# Altium PCB ROV_MainBoard V2.0.PcbDoc
Units mil, origin at the board's own origin, x right, y up, seen from the top; angles counter-clockwise.
Board outline 6102.36 x 3543.31 mil, 2 copper layers (Top Layer, Bottom Layer); 102 components, 73 nets, 345 pads, 271 vias.
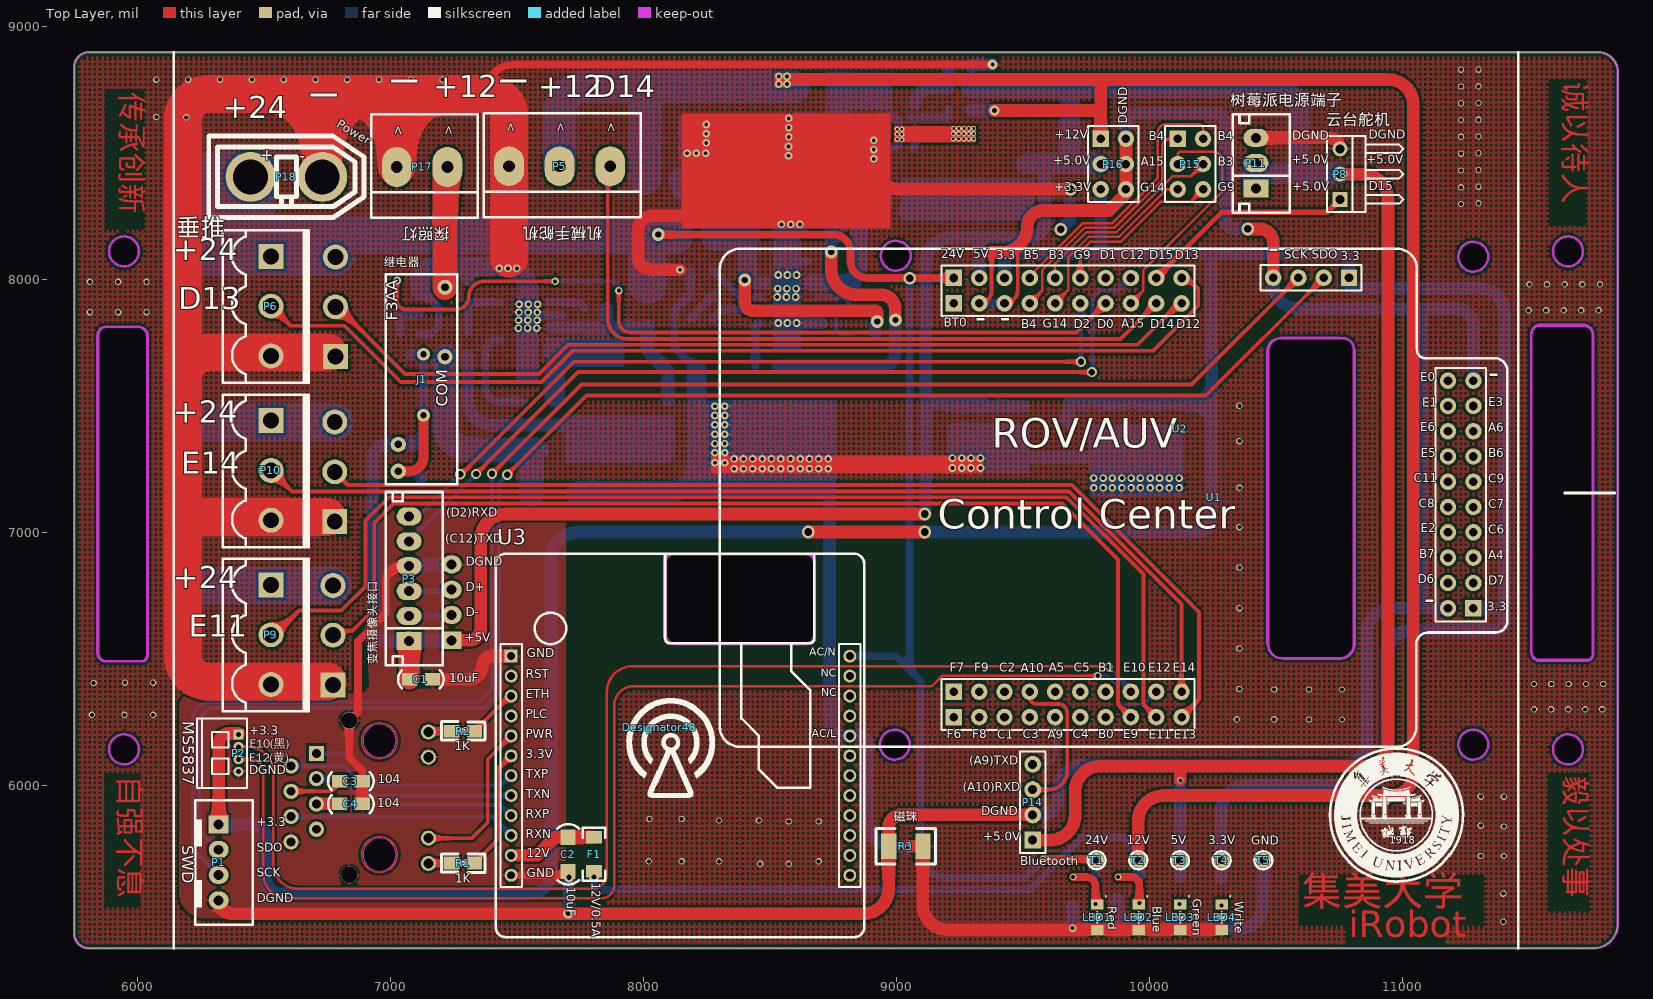
[diagram p0: Top Layer view]
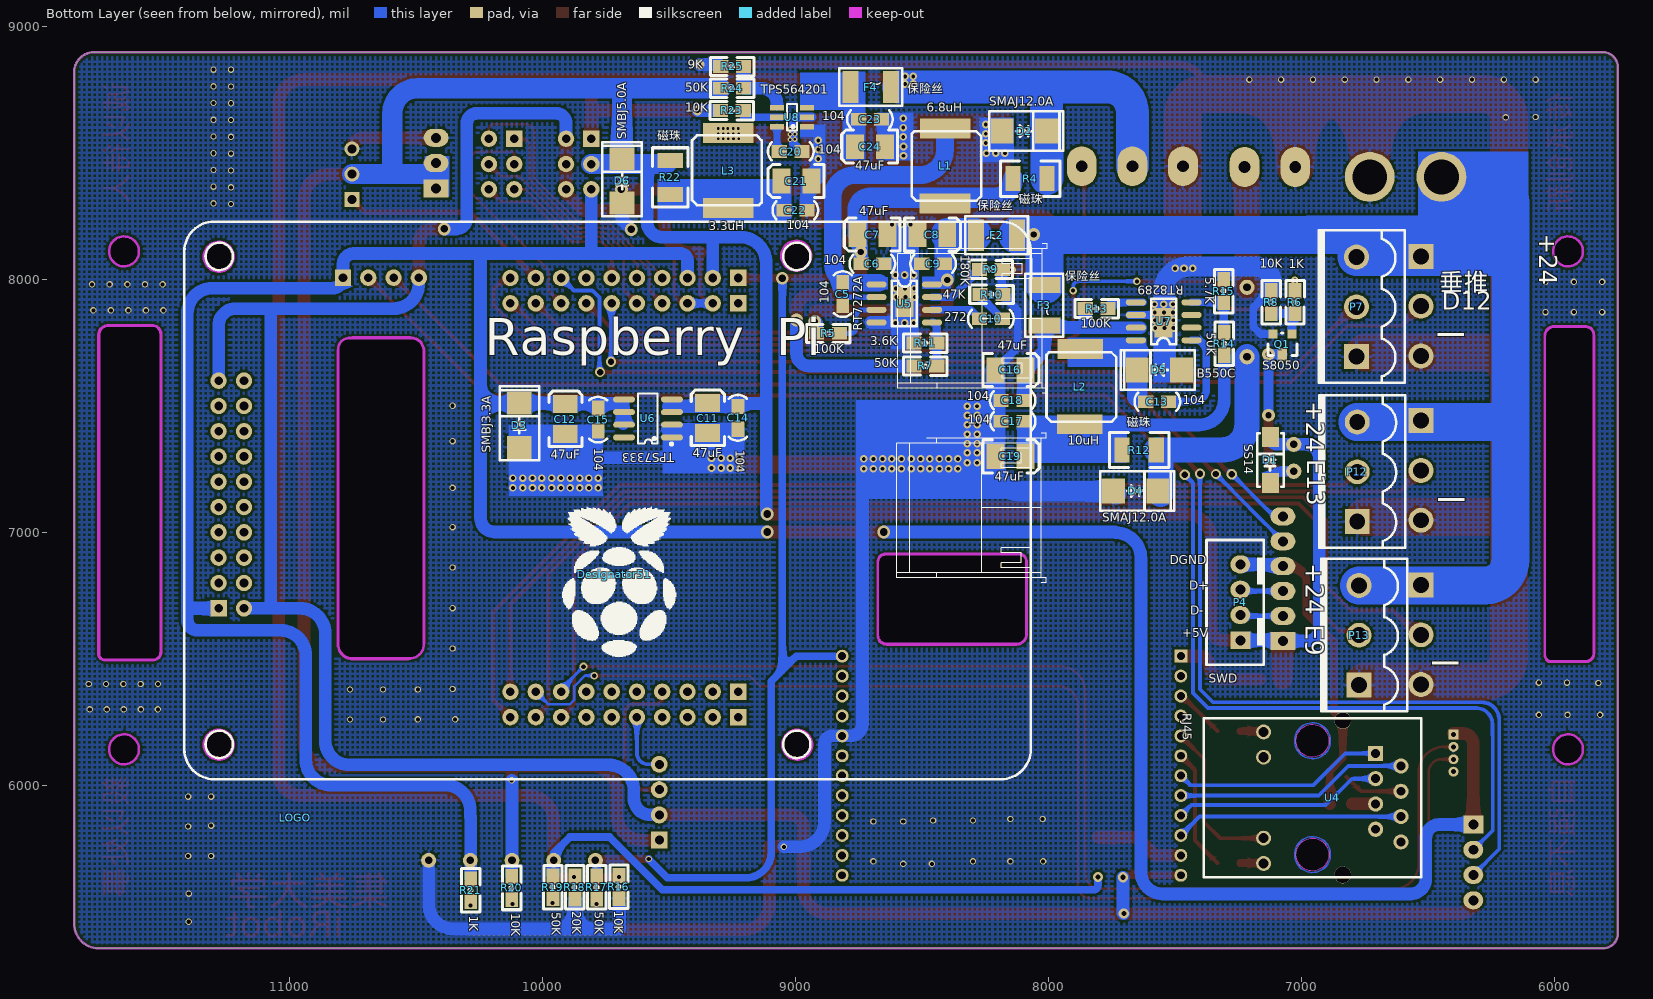
[diagram p1: Bottom Layer view, seen from below]

## Layer stack, top to bottom
Top Solder: solder mask 0.4, Solder Resist, Dk 3.5
Top Layer: signal copper 1.4
Dielectric 1: dielectric 12.6, FR-4, Dk 4.8
Bottom Layer: signal copper 1.4
Bottom Solder: solder mask 0.4, Solder Resist, Dk 3.5

## Board outline
5748.03,5413.39 ccw(c5807.09,5413.39) 5807.09,5354.33 11751.97,5354.33 ccw(c11751.97,5452.76) 11850.39,5452.76 11850.39,8818.9 ccw(c11771.65,8818.9) 11771.65,8897.64 5807.09,8897.64 ccw(c5807.09,8838.58) 5748.03,8838.58
cut-out: 8936.94,8093 ccw(c8996,8093) 8996,8033.94 ccw(c8996,8093) 9055.06,8093 ccw(c8996,8093) 8996,8152.06 ccw(c8996,8093)
cut-out: 8932.94,6160 ccw(c8992,6160) 8992,6100.94 ccw(c8992,6160) 9051.06,6160 ccw(c8992,6160) 8992,6219.06 ccw(c8992,6160)
cut-out: 8080.99,6596.97 cw(c8124,6597) 8080.99,6597 8080.98,6597 8080.98,6881.78 cw(c8113.5,6884.5) 8081.01,6887.45 cw(c8113.5,6884.5) 8110.55,6916.99 cw(c8111,6912) 8111,6917.02 8644,6917.02 cw(c8644,6883) 8678.01,6883 8678.01,6592 cw(c8640,6592) 8640,6553.98 8124,6553.98 cw(c8124,6597)
cut-out: 5944.88,6082.68 cw(c5944.88,6141.73) 5885.83,6141.73 cw(c5944.88,6141.73) 5944.88,6200.79 cw(c5944.88,6141.73) 6003.94,6141.73 cw(c5944.88,6141.73)
cut-out: 5944.88,8051.18 cw(c5944.88,8110.24) 5885.83,8110.24 cw(c5944.88,8110.24) 5944.88,8169.29 cw(c5944.88,8110.24) 6003.94,8110.24 cw(c5944.88,8110.24)
cut-out: 11653.54,8051.18 cw(c11653.54,8110.24) 11594.49,8110.24 cw(c11653.54,8110.24) 11653.54,8169.29 cw(c11653.54,8110.24) 11712.6,8110.24 cw(c11653.54,8110.24)
cut-out: 11653.54,6082.68 cw(c11653.54,6141.73) 11594.49,6141.73 cw(c11653.54,6141.73) 11653.54,6200.79 cw(c11653.54,6141.73) 11712.6,6141.73 cw(c11653.54,6141.73)
cut-out: 11217.94,8089 ccw(c11277,8089) 11277,8029.94 ccw(c11277,8089) 11336.06,8089 ccw(c11277,8089) 11277,8148.06 ccw(c11277,8089)
cut-out: 11219.94,6160 cw(c11279,6160) 11279,6219.06 cw(c11279,6160) 11338.06,6160 cw(c11279,6160) 11279,6100.94 cw(c11279,6160)
cut-out: 10462.99,6570.57 10462.99,7716 cw(c10519,7716) 10519,7772.02 cw(c10519,7767) 10519.03,7772.02 10751,7772.02 cw(c10751,7711) 10812.01,7711 10812.01,6550 cw(c10807,6550) 10811.04,6547.03 cw(c10750.04,6557.96) 10750.04,6495.98 10537.57,6495.98 cw(c10537.57,6570.57)
cut-out: 11503.99,6526 ccw(c11540,6526) 11540,6489.98 11728.52,6489.98 ccw(c11728.52,6518.48) 11757.01,6518.48 11757.01,7782 ccw(c11752,7782) 11756.96,7782.75 ccw(c11715.58,7780.58) 11715.58,7822.02 11542,7822.02 ccw(c11542,7784) 11503.99,7784
cut-out: 5874,6484.98 cw(c5874,6521) 5837.98,6521 5837.98,7779 cw(c5876,7779) 5876,7817.02 5999.58,7817.02 cw(c5999.58,7775.58) 6040.96,7777.75 cw(c6036,7777) 6041.02,7777 6041.02,6513.48 cw(c6012.52,6513.48) 6012.52,6484.98

## Design rules (kind name [scope] priority, off if disabled: settings)
Clearance [All] p1: gap=8
ComponentClearance [All] p1: gap=0 collisioncheckmode=3 verticalgap=0 showdistances=FALSE
DiffPairsRouting [All] p1: maxlimit=10 minlimit=10 mostfreqgap=10 toplayer_minwidth=15 toplayer_maxwidth=15 toplayer_prefwidth=15 bottomlayer_minwidth=15 bottomlayer_maxwidth=15 bottomlayer_prefwidth=15 maxuncoupledlength=500
PolygonConnect [All] p1: connectstyle=Relief reliefconductorwidth=10 reliefentries=4 polygonreliefangle="90 Angle" airgapwidth=10
RoutingVias [All] p1: holewidth=28 width=50 viastyle="Through Hole" minholewidth=28 minwidth=50 maxholewidth=28 maxwidth=50
SolderMaskExpansion [All] p1: expansion=4
Width [All] p1: maxlimit=150 minlimit=10 preferedwidth=10
28 further rules are at their usual default settings.

## Classes and differential pairs
component class "ROV_MainBoard V1.0": C1 C2 C3 C4 F1 LOGO P1 P2 P3 P4 P5 P6 P7 P8 P9 P10 P11 P12 P13 P14 P15 P16 R1 R2 U1 U2 U3 U4
component class ROV_Power: C5 C6 C7 C8 C9 C10 C11 C12 C13 C14 C15 C16 C17 C18 C19 C20 C21 C22 C23 C24 D1 D2 D3 D4 D5 D6 F2 F3 F4 J1 L1 L2 L3 LED1 LED2 LED3 LED4 P17 P18 Q1 R3 R4 R5 R6 R7 R8 R9 R10 R11 R12 R13 R14 R15 R16 R17 R18 R19 R20 R21 R22 R23 R24 R25 T1 T2 T3 T4 T5 U5 U6 U7 U8
differential pair EPHY_RX: +EPHY_RX_P -EPHY_RX_N
differential pair EPHY_TX: +EPHY_TX_P -EPHY_TX_N

## Components (designator, comment, footprint, x,y, rotation, side; value= is the part's Value field where it differs from the comment)
C1 "10uF" 0805C 7159,6419 r180 top
C2 "10uF" 1206C 7701,5724 r90 top
C3 "104" 0805C 6882,6016 r180 top
C4 "104" 0805C 6882,5926 r180 top
C5 "104" 0805C 8812.28,7981.65 r270 bottom
C6 "104" 0805C 8654.8,8062 r0 bottom
C7 "47uF" TAJ-B 8635.11,8176.81 r0 bottom
C8 "" TAJ-B 8517,8176.81 r180 bottom
C9 "" 0805C 8495,8061 r180 bottom
C10 "272" 0805C 8186,7844 r0 bottom
C11 "47uF" TAJ-B 9346,7392 r90 bottom
C12 "47uF" TAJ-B 9909,7388 r90 bottom
C13 "104" 0805C 7609,7516 r180 bottom
C14 "104" 0805C 9226,7412 r90 bottom
C15 "104" 0805C 9779,7405 r90 bottom
C16 "47uF" TAJ-B 8208,7642 r180 bottom
C17 "104" 0805C 8181,7438 r180 bottom
C18 "104" 0805C 8181,7521 r180 bottom
C19 "47uF" TAJ-B 8208,7300 r180 bottom
C20 "104" 0805C 9058,8505 r180 bottom
C21 "" TAJ-B 8936,8388 r0 bottom
C22 "104" 0805C 8959,8273 r0 bottom
C23 "104" 0805C 8664,8633 r0 bottom
C24 "47uF" TAJ-B 8645,8524 r0 bottom
D1 "SS14" SMA/DO-214AC 7120,7202 r90 bottom
D2 "SMAJ12.0A" SMBJ 8181,8584 r90 bottom
D3 "SMBJ3.3A" SMBJ 10089,7336 r0 bottom
D4 "SMAJ12.0A" SMBJ 7741.6,7161.65 r90 bottom
D5 "B550C" SMBJ 7473,7643 r270 bottom
D6 "SMBJ5.0A" SMBJ 9683,8302 r0 bottom
Designator48 "Comment" "通信 LOGO" 8061,6228 r0 top
Designator51 "Comment" "Raspberry Pi LOGO" 9715,6833 r180 bottom
F1 "12V/0.5A" FUSE-1206 7801,5660 r90 top
F2 "保险丝" 1812 8118,8174 r0 bottom
F3 "保险丝" 1812 8015,7983 r270 bottom
F4 "保险丝" 1812 8787,8760 r180 bottom
J1 "继电器" 继电器(小型) 7028,7239 r90 top locked
L1 "6.8uH" 电感#1 8405,8592 r270 bottom
L2 "10uH" 电感#2 7872,7719 r270 bottom
L3 "3.3uH" 电感#1 9267,8286 r90 bottom
LED1 "Red" 0805LED(GREEN) 9794.04,5525.98 r270 top
LED2 "Blue" 0805LED(RED) 9961.25,5525 r270 top
LED3 "Green" 0805LED(RED) 10125.51,5525 r270 top
LED4 "Write" 0805LED(RED) 10289.76,5525 r270 top
LOGO "" JMU_LOGO(1.35cm) 10977,5872 r0 bottom
P1 "SWD" XH4/2.54mm/180 6318.9,5846.46 r270 top
P2 "MS5837" MX1.25-4PIN 6397.64,6200.79 r270 top
P3 "变焦摄像头接口" XH6/2.54mm/180 7075,6570 r90 top
P4 "SWD" XH4/2.54mm/180 7240,6571 r90 bottom
P5 "机械手舵机" KF128-3P 7868.11,8444.88 r180 top
P6 "" KF2EDGK5.0-3P 6527.01,8090.55 r270 top
P7 "" KF2EDGK5.0-3P 6782,7694 r90 bottom
P8 "云台舵机" "HEADER 3H" 10658,8276 r90 top
P9 "" KF2EDGK5.0-3P 6527.01,6791.34 r270 top
P10 "" KF2EDGK5.0-3P 6527.01,7440.94 r270 top
P11 "树莓派电源端子" XH3/2.54mm/180 10423,8361 r90 top
P12 "" KF2EDGK5.0-3P 6779,7042 r90 bottom
P13 "" KF2EDGK5.0-3P 6772,6396 r90 bottom
P14 "Bluetooth" "Header 4(排母)" 9538,5781 r90 top
P15 "" "Header 3X2" 10108,8557 r0 top
P16 "" "Header 3X2" 9803,8557 r0 top
P17 "探照灯" KF128-2P 7228.5,8444.88 r180 top
P18 "Power" XT60-F 6426,8405 r0 top
Q1 "S8050" SOT-23 7039,7778 r0 bottom
R1 "1K" 0805R 7245.02,5691 r0 top
R2 "1K" 0805R 7326,6215 r180 top
R3 "磁珠" 1210R 9103,5758 r180 top
R4 "磁珠" 1210R 8004,8398 r0 bottom
R5 "100K" 0805R 8910.7,7784.8 r180 bottom
R6 "1K" 0805R 7023,7869 r90 bottom
R7 "50K" 0805R 8526,7656 r180 bottom
R8 "10K" 0805R 7119,7950 r270 bottom
R9 "180K" 0805R 8186,8040 r0 bottom
R10 "47K" 0805R 8183.49,7940.8 r0 bottom
R11 "3.6K" 0805R 8526,7747 r180 bottom
R12 "磁珠" 1210R 7573,7325 r0 bottom
R13 "100K" 0805R 7849,7883 r180 bottom
R14 "50K" 0805R 7303,7704 r90 bottom
R15 "5.7K" 0805R 7307,7994 r270 bottom
R16 "10K" 0805R 9698,5638 r270 bottom
R17 "50K" 0805R 9786,5636 r270 bottom
R18 "20K" 0805R 9872,5636 r270 bottom
R19 "50K" 0805R 9959,5637 r270 bottom
R20 "10K" 0805R 10122,5634 r270 bottom
R21 "1K" 0805R 10284,5625 r270 bottom
R22 "磁珠" 1210R 9494,8335 r90 bottom
R23 "10K" 0805R 9291,8666 r180 bottom
R24 "50K" 0805R 9290,8754 r180 bottom
R25 "9K" 0805R 9290,8840 r180 bottom
T1 "24V" 测试点(实心) 9788.04,5702 r0 top
T2 "12V" 测试点(实心) 9952.86,5702 r0 top
T3 "5V" 测试点(实心) 10117.69,5702 r0 top
T4 "3.3V" 测试点(实心) 10282.51,5702 r0 top
T5 "GND" 测试点(实心) 10447.34,5702 r0 top
U1 "Control Center" ROV_Control 11162,7598 r0 top locked
U2 "" "Raspberry Pi" 10118,7410 r180 top locked
U3 "电力载波模块" 电力载波模块6410 7434,6915 r0 top
U4 "RJ45" RJ45 7152,6110 r180 bottom
U5 "RT7272A" SOP8-Pad 8674.48,7981.65 r180 bottom
U6 "TPS7333" SOP-8 9489,7376 r0 bottom
U7 "RT8289" SOP8-Pad 7437.53,7756.23 r0 bottom
U8 "TPS564201" SOT23-6 8955.86,8602.68 r0 bottom

## Footprints (in the part's own frame and the unit in brackets; to place one, negate y for a bottom-side part, rotate by r counter-clockwise, add the part's x,y. Pads: shape width x height; smd on the part's side, far side on the other; paste and mask are expansions set on the pad)
0805C [mil]
  rect 60x50 smd: 1(-5,0) 2(85,0)
  silkscreen extent -50,-35 131,36, body extent -16,-26 102,29, height 37
0805LED(GREEN) [mil]
  rect 40x50 smd: 1(-2,-2) 2(98,-2)
  silkscreen extent -36,-22 71,33, body extent 7,-27 87,23, height 43
0805LED(RED) [mil]
  rect 40x50 smd: 1(-2.98,-4.95) 2(97.02,-4.95)
  silkscreen extent -37,-25 70,31, body extent 13,-25 80,11, height 35
0805R [mil]
  rect 60x50 smd: 1(-4.51,1.2) 2(85.49,1.2)
  silkscreen extent -46,-36 126,37, body extent -1,-23 78,26, height 18
1206C [mil]
  rect 60x60 smd: 1(-64.9,0.2) 2(70.1,0.2)
  silkscreen extent -117,-43 122,43, body extent -82,-36 84,35, height 37
1210R [mil]
  rect 60x100 smd: 1(0,0) 2(135,0)
  silkscreen extent -50,-70 185,70, body extent -12,-49 146,49, height 67
1812 [mm]
  rect 1.6x3.2 smd: 1(0.127,0) 2(4.227,0)
  silkscreen extent -0.97,-1.9 5.33,1.9, body extent -0.07,-1.6 4.43,1.6, height 1.6
FUSE-1206 [mil]
  rect 50x65 smd: 1(-1,-2) 2(134,-2)
  silkscreen extent -38,-47 172,43, body extent 1,-36 127,28, height 34
"HEADER 3H" [mm]
  rect 1.5x1.5 hole 0.9: 1(1.007,-2.396)
  round 1.5 hole 0.9: 2(3.547,-2.396) 3(6.087,-2.396)
  silkscreen extent -0.26,-8.75 7.36,-1.11, body extent -0.26,-12.36 7.36,-2.01, height 2.54
"Header 3X2" [mil]
  rect 65x65 hole 34: 1(2.94,-1.52)
  round 65 hole 34: 2(102.94,-1.52) 3(2.94,-101.52) 4(102.94,-101.52) 5(2.94,-201.52) 6(102.94,-201.52)
  silkscreen extent -47,-252 153,48, body extent -46,-254 154,46, height 338
"Header 4(排母)" [mm]
  rect 1.7x1.7 hole 0.9: 1(0.035,0.015)
  round 1.7 hole 0.9: 2(2.575,0.015) 3(5.115,0.015) 4(7.655,0.015)
  silkscreen extent -1.23,-1.25 8.93,1.29, body extent -1.23,-1.25 8.93,1.29, height 8.5
JMU_LOGO(1.35cm) [mil]
KF2EDGK5.0-3P [mm]
  rect 2.5x2.5 hole 1.6: 1(0,-0.025)
  round 2.5 hole 1.6: 2(5,-0.025) 3(10,-0.025)
  silkscreen extent -2.62,-4.85 12.7,3.78, body extent -2.54,-4.78 12.54,3.72, height 11.25
KF128-2P [mm]
  oval 3x4 hole 1.2: 1(0.134,0.024) 2(5.214,0.024)
  silkscreen extent -2.91,-5.28 7.75,5.1, body extent -2.91,-5.35 7.75,5.15, height 14.15
KF128-3P [mm]
  oval 3x4 hole 1.2: 1(0.025,-0.05) 2(5.105,-0.05) 3(10.185,-0.05)
  silkscreen extent -3.02,-5.36 12.73,5.06, body extent -3.02,-5.43 12.72,5.07, height 14.15
MX1.25-4PIN [mm]
  rect 1x1 hole 0.5: 1(0,0)
  round 1 hole 0.5: 2(1.25,0) 3(2.5,0) 4(3.75,0)
  silkscreen extent -1.61,-4.19 5.36,0.85, body extent -1.5,-4.05 5.25,0.85, height 3.35
"Raspberry Pi" [mil]
"Raspberry Pi LOGO" [mil]
  silkscreen extent -206,-326 244,265
RJ45 [mm]
  rect 1.524x1.524 hole 0.889: 1(11.347,0.398)
  round 1.524 hole 0.889: 2(13.887,-0.872) 3(11.347,-2.142) 4(13.887,-3.412) 5(11.347,-4.682) 6(13.887,-5.952) 7(11.347,-7.222) 8(13.887,-8.492)
  round 1.5 hole 1.02: 9(0.097,2.548) 10(0.097,0.012) 11(0.097,-8.116) 12(0.097,-10.652)
  round 1.7 hole 1.65: 13(8.045,3.698) 14(8.045,-11.802)
  round 2.95 hole 3.25: MH3(5.01,-9.768) MH3(5.01,1.662)
  Keep-Out Layer circle w0.051: c4.997,1.664 r1.65
  Keep-Out Layer circle w0.051: c4.997,-9.766 r1.65
  Multi-Layer circle w0.127: c5.01,-9.768 r1.798
  Multi-Layer circle w0.127: c5.01,1.662 r1.798
  silkscreen extent -5.92,-12.05 15.92,3.95, body extent -5.83,-12.07 15.57,3.81, height 14
ROV_Control [mil] "航行器控制中心"
  rect 65x65 hole 34: 1(-1936.07,306.74) 20(-1936.07,407.13) 31(117.59,-898.86) 41(-1936.07,-1329.03) 60(-1936.07,-1228.64) 61(-374.2,408.2)
  round 65 hole 34: 2(-1836.07,306.74) 3(-1736.07,306.74) 4(-1636.07,306.74) 5(-1536.27,306.74) 6(-1436.27,306.74) 8(-1236.46,306.74) 10(-1036.07,306.74) 11(-1036.07,407.13) 13(-1236.46,407.13) 15(-1436.27,407.13) 16(-1536.27,407.13) 17(-1636.07,407.13) 18(-1736.07,407.13) 19(-1836.07,407.13) 21(17.2,1.14) 22(17.2,-98.86) 23(17.2,-198.86) 24(17.2,-298.86) 25(17.2,-398.66) 26(17.2,-498.66) 28(17.2,-698.46) 30(17.2,-898.86) 33(117.59,-698.46) 35(117.59,-498.66) 36(117.59,-398.66) 37(117.59,-298.86) 38(117.59,-198.86) 39(117.59,-98.86) 40(117.59,1.14) 42(-1836.07,-1329.03) 43(-1736.07,-1329.03) 44(-1636.07,-1329.03) 45(-1536.27,-1329.03) 46(-1436.27,-1329.03) 48(-1236.46,-1329.03) 50(-1036.07,-1329.03) 51(-1036.07,-1228.64) 53(-1236.46,-1228.64) 55(-1436.27,-1228.64) 56(-1536.27,-1228.64) 57(-1636.07,-1228.64) 58(-1736.07,-1228.64) 59(-1836.07,-1228.64) 62(-474.2,408.2) 63(-574.2,408.2) 64(-674.2,408.2)
  round 65 hole 34 paste+0: 7(-1336.46,306.74) 9(-1136.07,306.74) 12(-1136.07,407.13) 14(-1336.46,407.13) 27(17.2,-598.46) 29(17.2,-798.86) 32(117.59,-798.86) 34(117.59,-598.46) 47(-1336.46,-1329.03) 49(-1136.07,-1329.03) 52(-1136.07,-1228.64) 54(-1336.46,-1228.64)
  silkscreen extent -2861,-1446 251,522, body extent -1995,-1377 163,456, height 335
SMA/DO-214AC [mm]
  rect 2x1.75 smd: 1(-0.178,0.025) 2(4.422,0.025)
  silkscreen extent -0.58,-1.32 4.82,1.38, body extent -0.38,-1.32 4.73,1.35, height 2.12
SMBJ [mil] "TVS瞬态抑制二极管"
  rect 98x90 smd: 1(1.65,0.6) 2(1.65,-174.4)
  silkscreen extent -77,-240 80,52, body extent -50,-196 55,5, height 83
SOP8-Pad [mil]
  oval 80x24 smd: 1(-4.24,-2.45) 2(-4.24,-52.45) 3(-4.24,-102.45) 4(-4.24,-152.45) 5(215.76,-152.45) 6(215.76,-102.45) 7(215.76,-52.45) 8(215.76,-2.45)
  rect 70.87x118.11 smd: 9(107,-72)
  silkscreen extent 56,-167 156,13, body extent -11,-179 225,18, height 75
SOP-8 [mm]
  oval 2.2x0.6 smd: 1(-0.038,0.025) 2(-0.038,-1.245) 3(-0.038,-2.515) 4(-0.038,-3.785) 5(4.762,-3.785) 6(4.762,-2.515) 7(4.762,-1.245) 8(4.762,0.025)
  silkscreen extent -0.12,-4.38 3.37,0.82, body extent -0.62,-4.33 5.38,0.57, height 1.7
SOT23-6 [mm]
  rect 1.4x0.55 smd: 1(-0.051,-0.025) 2(-0.051,-0.975) 3(-0.051,-1.925) 4(2.949,-1.925) 5(2.949,-0.975) 6(2.949,-0.025)
  silkscreen extent 0.94,-2.31 1.96,0.36, body extent 0.07,-2.47 2.88,0.53, height 1.15
SOT-23 [mil]
  rect 36x36 smd: 1(-2.52,-5.16) 2(72.48,-5.16)
  rect 36x50 smd: 3(35.48,74.84)
  silkscreen extent -23,-10 92,80, body extent -22,-18 92,92, height 47
TAJ-B [mm]
  rect 1.8x2.5 smd: 1(3,0) 2(0,0)
  silkscreen extent -1.27,-1.68 4.34,1.65, body extent -0.27,-1.4 3.23,1.4, height 1.9
XH3/2.54mm/180 [mm]
  rect 1.8x2.5 hole 1: 1(-0.045,0.08)
  oval 1.8x2.5 hole 1: 2(2.495,0.08) 3(5.035,0.08)
  silkscreen extent -2.5,-3.32 7.4,2.43, body extent -2.5,-3.32 7.4,2.43, height 7
XH4/2.54mm/180 [mm]
  rect 1.8x2 hole 1: 1(0.045,0.005)
  oval 1.8x2 hole 1: 2(2.585,0.005) 3(5.125,0.005) 4(7.665,0.005)
  silkscreen extent -2.41,-2.35 10.12,3.41, body extent -2.35,-2.44 10.06,3.31, height 7
XH6/2.54mm/180 [mm]
  rect 1.8x2.5 hole 1: 1(0.01,0.08)
  oval 1.8x2.5 hole 1: 2(2.51,0.08) 3(5.01,0.08) 4(7.51,0.08) 5(10.01,0.08) 6(12.51,0.08)
  silkscreen extent -2.44,-3.32 14.96,2.43, body extent -2.44,-3.32 14.96,2.43, height 7
XT60-F [mm]
  round 5 hole 3.5: 1(0.489,0) 2(7.689,0)
  silkscreen extent -3.71,-4.1 11.89,4.1, body extent -3.81,-4.06 12.09,4.09, height 16.5
测试点(实心) [mm]
  round 1.5 hole 0.762: 1(0.048,0.025)
  silkscreen extent -0.85,-0.87 0.95,0.92
电力载波模块6410 [mm]
  round 1.3 hole 0.8: 0(35.059,-32.289) 0(35.059,-30.289) 0(35.059,-28.289) 0(35.059,-26.289) 0(35.059,-24.289) 0(35.059,-22.289) 0(35.059,-20.289) 0(35.059,-16.289) 2(1.059,-12.289) 3(1.059,-14.289) 4(1.059,-16.289) 5(1.059,-18.289) 6(1.059,-20.289) 7(1.059,-22.289) 8(1.059,-24.289) 9(1.059,-26.289) 10(1.059,-28.289) 11(1.059,-30.289) 12(1.059,-32.289) 13(35.059,-18.289) 14(35.059,-14.289) 15(35.059,-12.289) 16(35.059,-10.289)
  rect 1.3x1.3 hole 0.8: 1(1.059,-10.289)
  silkscreen extent -0.5,-38.5 36.5,0, body extent -0.15,-33.47 36.4,-8.87, height 4.35
电感#1 [mm]
  rect 2x5.08 smd: 1(-0.12,-0.044) 2(7.423,-0.069)
  silkscreen extent 0.19,-3.42 7.17,3.58, body extent 0.64,-2.98 6.64,3.02, height 4.5
电感#2 [mm]
  rect 2x4.572 smd: 1(-0.12,-0.044) 2(7.423,-0.069)
  silkscreen extent 0.19,-3.42 7.17,3.58, body extent 0.64,-2.98 6.64,3.02, height 4.5
继电器(小型) [mil] "F3AA (20mm*7mm)"
  round 60 hole 30: 1(454.72,-186.02) 3(729.33,-186.02) 4(1.97,-0.98) 5(108.27,-0.98)
  silkscreen extent -49,-235 781,48, body extent -50,-232 781,49, height 591
"通信 LOGO" [mil]
  silkscreen extent -131,-275 219,115

## Part data
C1 C2 C3 C4 C5 C6 C9 C10 C13 C14 C15 C17 C18 C20 C22 C23: library part Cap1, "无极贴片电容"
C7 C8 C11 C12 C16 C19 C21 C24: library part "Pol Cap", "极性贴片电容"
D1 D2 D3 D4 D5 D6: library part Diode, "二极管"
F1: library part Fuse, "保险丝"
F2 F3 F4: library part Fuse
L1 L2 L3: library part L, "电感"
LED1 LED2 LED3 LED4: library part LED, "发光二极管"
LOGO: library part JMU_LOGO, "LOGO"
P1 P4: library part 接线端子-4PIN, "4PIN"
P2 P14: library part "Header 4", "排针"
P3: library part 接线端子-6PIN, "6PIN"
P5 P6 P7 P9 P10 P11 P12 P13: library part 接线端子-3PIN, "3PIN"
P8: library part "Header 3", "排针"
P15 P16: library part "Header 3X2", "双排排针"
P17 P18: library part 接线端子-2PIN, "2PIN"
Q1: library part NPN, "NPN三极管"
R1 R2 R3 R4 R5 R6 R7 R8 R9 R10 R11 R12 R13 R14 R15 R16 R17 R18 R19 R20 R21 R22 R23 R24 R25: library part Res, "电阻"
T1 T2 T3 T4 T5: library part 测试点, "测试点"
U1: library part ROV_Controler
U2: library part "Raspberry Pi 外框"
U3: library part 电力载波模块6410
U6: "3.3V电源芯片"

## Via types
v1: diameter 30, hole 15, Top Layer to Bottom Layer, 114 vias
v2: diameter 25, hole 16, Top Layer to Bottom Layer, 106 vias
v3: diameter 20, hole 10, Top Layer to Bottom Layer, 21 vias
v4: diameter 50, hole 30, Top Layer to Bottom Layer, 7 vias
v5: diameter 50, hole 25, Top Layer to Bottom Layer, 7 vias
v6: diameter 40, hole 25, Top Layer to Bottom Layer, 6 vias
v7: diameter 40, hole 20, Top Layer to Bottom Layer, 4 vias
v8: diameter 30, hole 16, Top Layer to Bottom Layer, 3 vias
v9: diameter 30, hole 18, Top Layer to Bottom Layer, 2 vias
v10: diameter 40, hole 15, Top Layer to Bottom Layer, 1 vias
